# Altium PCB ie-track-kit-arduino-1-V11.PcbDoc (part 3 of 3) (continued)
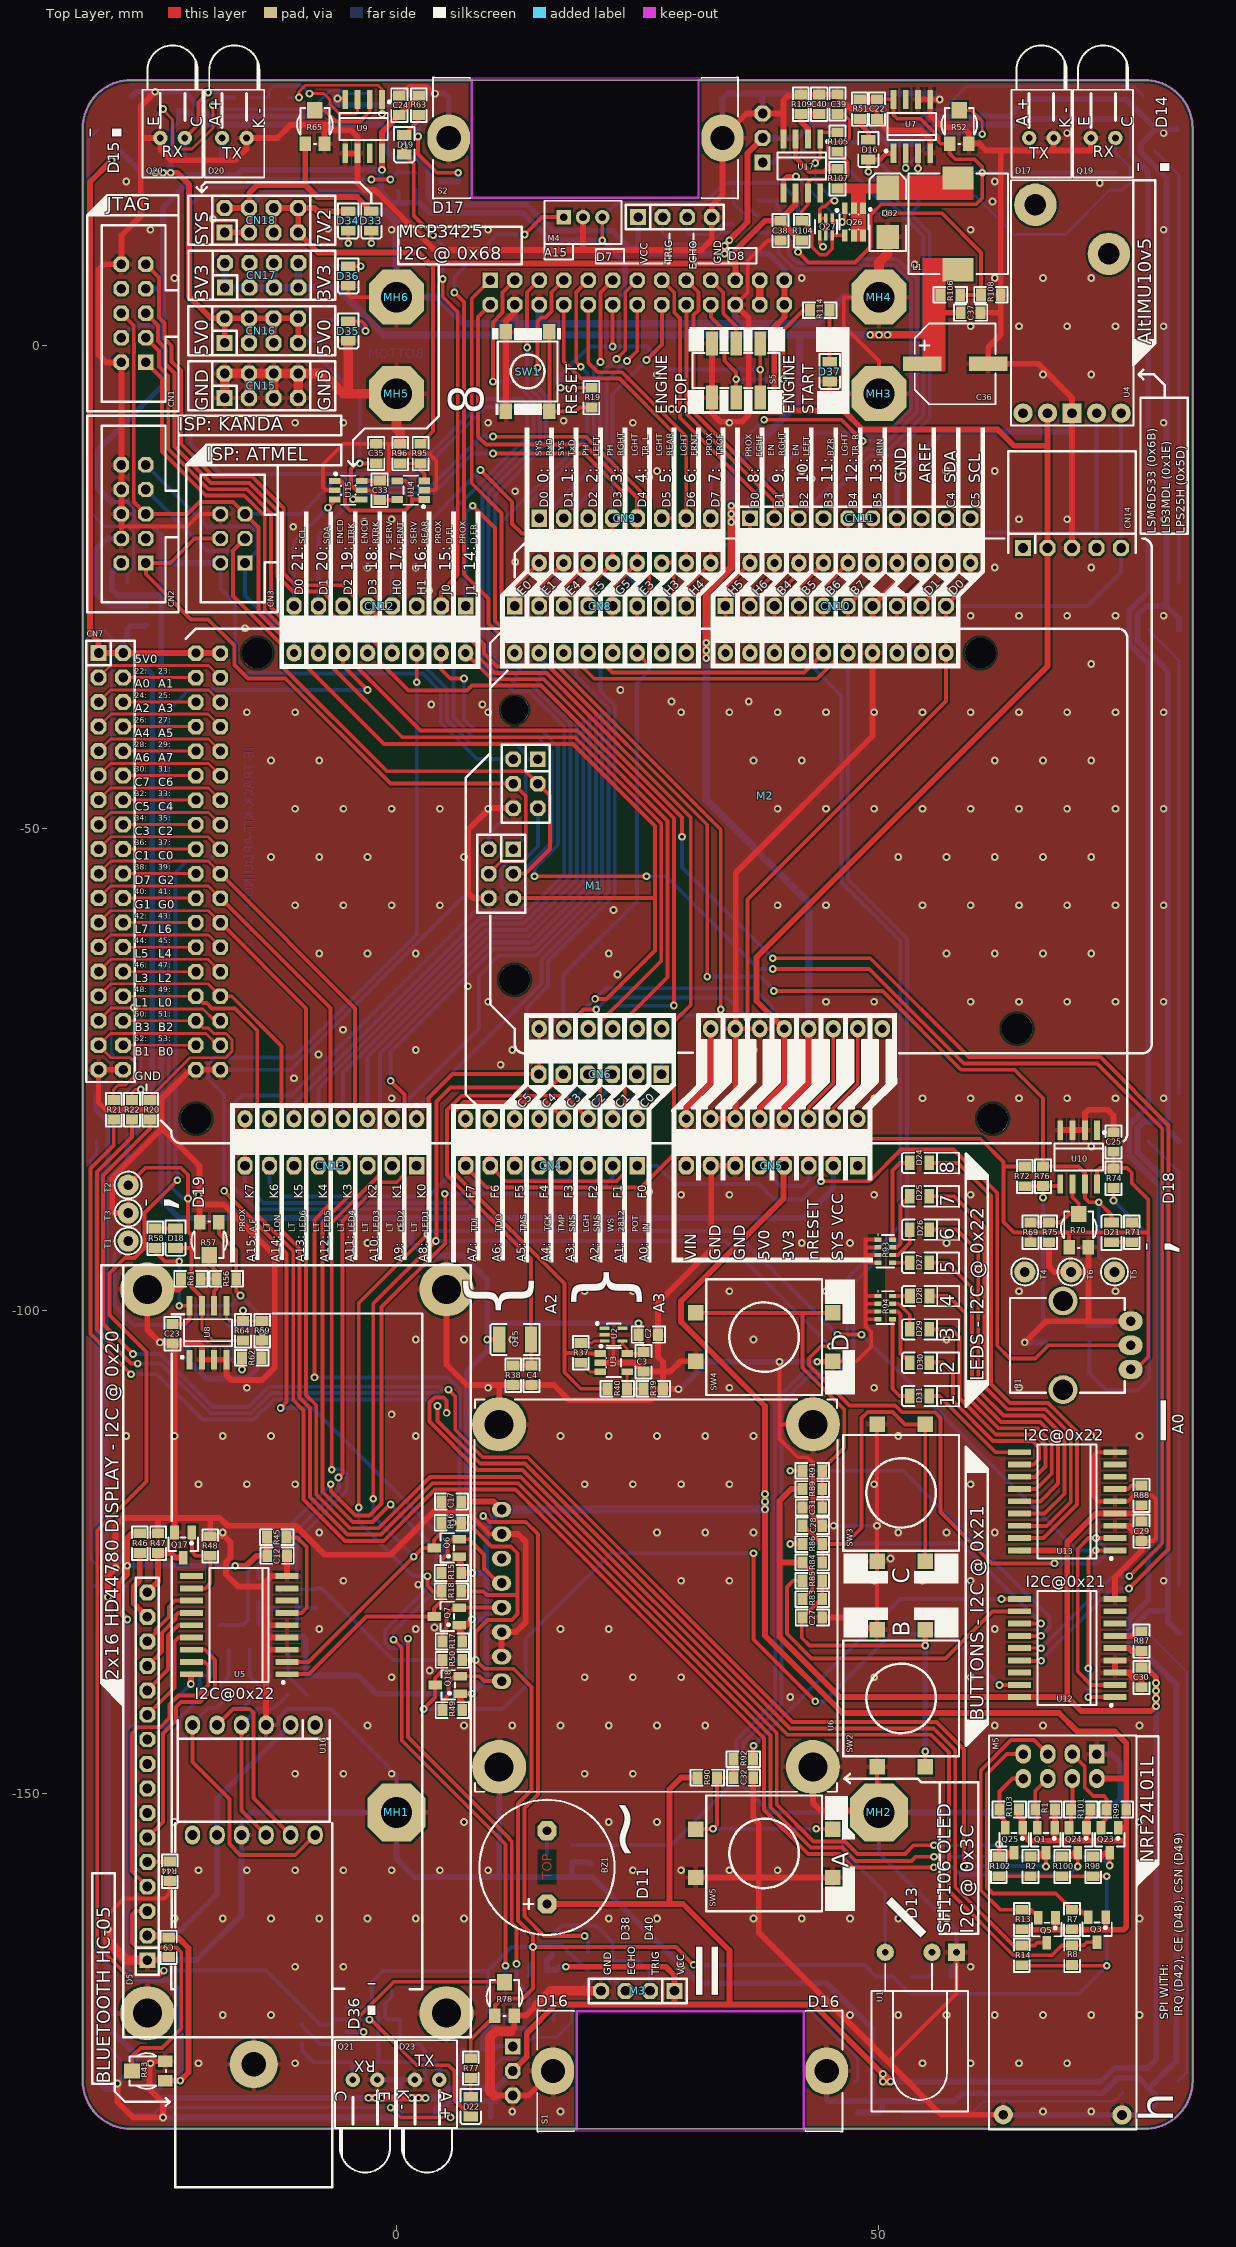
[diagram p0: Top Layer view]
## Nets (pads, with @x,y where several pads share a name; then routed paths per layer and width w, separated by ;. In a path a pad name is that pad's centre, name@x,y a point inside that pad or via, vN(x,y) a via of type N, cw(c..) or ccw(c..) an arc to the next point about the centre after c; other vN are vias at no path point) (continued)
  Bottom Layer w0.4: Q22.3@-18.294,-132.6 -15.9,-132.6 -15.4,-132.1 -15.4,-126.6 v1(-6.8,-118) ; CN3.5@-15.695,-17.46 -9.86,-17.46 -6.354,-13.954 1.646,-13.954 9.2,-6.4 v1(12.7,-6.4) ; v1(5,-87.9) 6.94,-87.9 8.451,-86.389 8.451,-83.649 9.254,-82.846 14.904,-82.846 16.039,-81.711 16.039,-79.461 18.586,-76.914 18.586,-69.706 v1(20.592,-67.7) 21.692,-66.6 37.031,-66.6 38.931,-68.5 38.931,-86.231 39.8,-87.1 42.1,-87.1 42.725,-86.475 CN5.3@42.725,-85 M1.P3@42.725,-80.13 45.265,-77.59 M2.P3@45.265,-70.8 ; M1.PROG5@12.118,-57.27 10.864,-56.016 10.864,-54.142 11.53,-53.476 13.074,-53.476 14.658,-51.892 M2.PROG5@14.658,-47.94
RxD_HC05: R11.1 U16.3 | length 18.5
  Top Layer w0.4: U16.3@-16.051,-142.941 -16.051,-151.801 U16.3@-13.511,-154.341
  Bottom Layer w0.4: U16.3@-16.051,-142.941 -14.41,-141.3 -12.775,-141.3 R11.1@-11.3,-139.825
SCK_3V3: M5.5 Q5.2 R13.1 | length 28.4
  Top Layer w0.4: Q5.2@66.5,-162.9 65.684,-162.084 R13.1@64.8,-162.084 62.559,-162.084 60.546,-160.071 60.546,-147.654 63.694,-144.506 66.046,-144.506 M5.5@67.5,-145.96
SCK_5V: Q5.3 R14.1 R21.2 | length 159.6
  Top Layer w0.4: R21.2@-29.3,-80.216 -29.3,-82.888 -31.7,-85.288 -31.7,-102.4 v1(-27.5,-106.6) ; v1(4.262,-109.9) 4.262,-111.438 8.679,-115.854 13.34,-115.854 40.786,-143.3 55.675,-143.3 57.9,-145.525 57.9,-159.756 63.944,-165.8 R14.1@64.8,-165.8 66.1,-165.8 66.4,-165.5 Q5.3@67.4,-165.5
  Bottom Layer w0.4: v1(-27.5,-106.6) -24.8,-106.6 -20.1,-111.3 -14.8,-111.3 -12.7,-109.2 3.562,-109.2 v1(4.262,-109.9)
SCL_3V3: Q7.2 R17.1 U6.5 | length 9
  Top Layer w0.4: R17.1@4.784,-134.3 4.784,-133.316 5.2,-132.9 5.2,-131.5 5.9,-130.8 Q7.2@6.5,-130.8 6.52,-130.78 U6.5@10.9,-130.78
SDA_3V3: Q6.2 R15.1 U6.4 | length 11.9
  Top Layer w0.4: R15.1@4.684,-127.2 4.684,-125.831 5.3,-125.215 5.3,-124.1 5.7,-123.7 Q6.2@6.5,-123.7 7.5,-123.7 9.06,-125.26 9.06,-126.714 10.586,-128.24 U6.4@10.9,-128.24
STATE: C34.1 U16.1 | length 29.3
  Top Layer w0.4: U16.1@-21.131,-142.941 -21.131,-146.769 -17.305,-150.595 -17.305,-155.295 -16.2,-156.4 -10.49,-156.4 U16.1@-8.431,-154.341
  Bottom Layer w0.4: U16.1@-21.131,-142.941 -21.131,-142.831 -19.5,-141.2 -18.659,-141.2 C34.1@-17.3,-139.841
SYS_VCC: C2.1 C3.2 C22.1 C23.1 C24.1 C25.1 C26.1 CN1.4 CN1.7 CN2.2 CN3.2 CN5.2 CN18.1 CN18.2 CN18.3 CN18.4 CN19.12 D33.1 M1.P2 M1.PROG2 M2.P2 M2.PROG2 M4.1 P1.1 Q8.1 Q10.1 Q11.1 Q12.1 Q13.1 Q14.1 Q15.2 Q16.1 R2.2 R4.1 R8.2 R10.1 R14.2 R16.2 R18.2 R19.2 R23.2 R25.2 R28.2 R30.1 R31.2 R33.2 R35.2 R41.2 R50.2 R51.1 R52.1 R53.1 R54.1 R56.1 R57.1 R58.1 R59.2 R62.2 R63.1 R65.1 R66.1 R67.1 R69.1 R70.1 R71.1 R72.2 R74.2 R77.1 R78.1 R79.1 R80.1 R98.1 R100.1 R102.1 S5.2 S5.4 U2.4 U3.5 U7.8 U8.8 U9.8 U10.8 U11.8 | length 970.2
  Top Layer w0.3: U2.4@23.425,-103.15 23.425,-103.466 23.9,-103.941 U3.5@23.9,-104.45 25.434,-104.45 C3.2@25.6,-104.284 25.6,-103.566 25.084,-103.05 C2.1@25.084,-102.5 v1(25.084,-101.316)
  Top Layer w0.4: R58.1@-25,-93.516 -25,-93.9 -24,-94.9 v1(-22.5,-94.9) ; C23.1@-23.2,-101.384 -21.884,-101.384 -21.432,-100.932 U8.8@-21.432,-99.506 -22.494,-99.506 v1(-22.5,-99.5) ; R57.1@-18.4,-90.834 -18.4,-92 -16.606,-93.794 R56.1@-16.606,-96.7 -16.606,-97.994 v1(-16.15,-98.45) ; R62.2@-13.984,-104.9 -13.984,-103.2 R59.2@-13.9,-103.116 v1(-13.9,-102.3) ; v1(5.846,-122) R16.2@6.716,-122 7.4,-122 9.846,-124.446 11.846,-124.446 12.554,-125.154 12.554,-129.4 ; R18.2@6.716,-129.1 9,-129.1 9.394,-129.494 12.554,-129.494 12.554,-131.464 11.952,-132.066 9.434,-132.066 8.2,-133.3 v1(8.2,-136.2) ; R50.2@6.816,-136.2 v1(8.2,-136.2) ; R77.1@7.7,-177.484 7.7,-175.55 R78.1@10.2,-173.05 10.2,-172 10.9,-171.3 13.1,-171.3 14.14,-170.26 v1(14.14,-165.96) ; v1(9.4,-103) Q15.2@10.65,-103 ; v1(17.016,-4.384) R19.2@20.2,-4.384 ; v1(21.333,10.89) M4.1@21.333,13.3 ; v1(22.4,-0.1) 22.4,3.88 22.42,3.9 CN19.12@22.42,4.23 ; v1(30.8,-167.8) 28.96,-165.96 v1(14.14,-165.96) ; S5.2@37.7,-5.4 v1(37.7,-2.5) S5.4@37.7,0.2 ; v1(41.6,9.7) 42.7,8.6 47.509,8.6 49.104,10.195 49.104,13.504 50.236,14.636 52.238,14.636 52.241,14.639 60.039,14.639 60.7,15.3 v1(60.7,17.9) 60.7,18.5 59.9,19.3 57.9,19.3 57.321,19.879 57.321,20.479 56.9,20.9 56.403,20.9 56.2,21.103 56.2,21.6 54.3,23.5 51.888,23.5 51.495,23.893 U7.8@51.495,25.494 51.473,25.516 C22.1@49.8,25.516 ; CN5.2@45.265,-85 45.265,-82.1 ; M2.P2@47.805,-70.8 47.805,-76.495 45.265,-79.035 M1.P2@45.265,-80.13 45.265,-82.1 ; R102.1@62.4,-158.616 v1(73.6,-158.616) ; R14.2@64.8,-167.832 64.868,-167.9 v1(73.6,-167.9) ; R72.2@65.11,-85.084 62.908,-85.084 ; R69.1@65.7,-92.916 65.7,-91.9 ; R70.1@69.303,-93.278 69.7,-92.881 69.7,-91.9 ; U10.8@72.605,-86.894 72.605,-85.5 72.889,-85.216 R74.2@74.3,-85.216 ; R74.2@74.3,-85.284 R74.2@74.3,-85.216 ; C25.1@74.3,-83.551 R74.2@74.3,-85.216 ; P1.1@76.08,-106.1 76.6,-106.1 77.9,-104.8 77.9,-91.9 ; R71.1@76.2,-90.884 76.2,-91.8 76.3,-91.9 ; v1(8.2,-136.2) 9.114,-137.114 12.114,-137.114 14,-139 14,-149.7 12.608,-151.092 12.608,-163.195 14.14,-164.727 v1(14.14,-165.96) ; 45.265,-82.1 45.365,-82.2 60.5,-82.2 62.908,-84.608 62.908,-85.084 ; 62.908,-85.084 62.908,-90.824 63.984,-91.9 65.7,-91.9 ; 65.7,-91.9 69.3,-91.9 69.303,-91.897 69.303,-91.9 69.7,-91.9 ; 69.7,-91.9 76.3,-91.9 ; R74.2@74.3,-85.216 75.7,-85.216 76.2,-85.716 76.2,-86.8 77.9,-88.5 77.9,-91.9 ; 76.3,-91.9 77.9,-91.9
  Top Layer w0.6: CN18.1@-17.8,11.705 CN18.3@-15.26,11.705 -15.24,11.725 -15.24,15.8 -14.44,16.6 -9.4,16.6 ; CN18.2@-17.8,14.245 CN18.4@-15.26,14.245 ; R65.1@-9.452,20.919 -9.452,16.652 -9.4,16.6 ; D33.1@-2.6,13.916 -4.084,15.4 -8.2,15.4 -9.4,16.6 ; v1(-1.5,18.2) -1.495,18.205 U9.8@-1.495,19.906 -1.495,22.089 C24.1@0.3,23.884 0.3,23.916 R63.1@2.3,25.916 ; R51.1@48,25.516 C22.1@49.8,25.516
  Bottom Layer w0.4: -29.55,-16.2 -27.7,-16.2 -27.214,-16.686 -27.214,-18.286 -26.786,-18.714 -25.286,-18.714 -24.377,-19.623 ; CN1.4@-28.5,0.79 -27.214,2.076 -24.224,2.076 -24.2,2.1 ; -22.5,-90.4 v1(-22.5,-94.9) v1(-22.5,-99.5) -17.2,-99.5 v1(-16.15,-98.45) -13.9,-100.7 v1(-13.9,-102.3) ; -18.4,-90.316 -18.316,-90.4 ; CN3.2@-18.235,-22.54 -18.235,-25.165 -16.7,-26.7 -16.7,-33.2 -15.9,-34 2.739,-34 4.592,-35.853 4.592,-39.096 8.356,-42.86 10.8,-42.86 ; R4.1@-12.3,-128.825 -12.025,-129.1 -12.025,-128.879 R10.1@-8.3,-128.879 ; R10.1@-8.3,-128.809 -7.724,-128.809 -0.333,-136.2 v1(8.2,-136.2) ; U11.8@-5.194,-172.211 -2.543,-172.211 -2.516,-172.184 ; R41.2@0.2,16 0.2,15 0.4,14.8 ; R79.1@1.9,-177.9 R80.1@-1.979,-177.9 -1.846,-177.767 -1.846,-172.854 -2.516,-172.184 ; 2,14.8 Q16.1@2,16.1 ; M1.PROG2@9.578,-52.19 9.578,-50.622 10.864,-49.336 10.864,-42.924 10.8,-42.86 ; M2.PROG2@12.118,-42.86 10.8,-42.86 ; Q10.1@13.7,-174.4 12.5,-174.4 11.1,-173 9.881,-173 9.489,-172.608 9.489,-168.411 ; R28.2@13.7,-168.984 13.8,-168.884 13.8,-167.8 14.14,-167.46 v1(14.14,-165.96) ; v1(17.016,-4.384) 17.016,-3.076 19.992,-0.1 v1(22.4,-0.1) 25.9,-0.1 28.3,-2.5 v1(37.7,-2.5) ; Q8.1@19.834,-168.3 19.684,-168.3 R23.2@18.1,-166.716 17.138,-165.754 14.346,-165.754 v1(14.14,-165.96) ; M4.1@21.333,13.3 22.733,14.7 31.9,14.7 33.746,16.546 33.746,16.575 34.012,16.841 37.496,16.841 Q12.1@37.5,16.837 39.763,16.837 41.616,14.984 R35.2@41.616,11.6 41.6,11.584 v1(41.6,9.7) ; CN19.12@22.42,4.23 23.69,5.5 23.69,7.483 ; v1(30.8,-167.8) 48.5,-167.8 49.7,-169 R30.1@51.434,-169 53.234,-170.8 70.7,-170.8 v1(73.6,-167.9) v1(73.6,-158.616) ; 36.2,16.8 36.2,14.545 37.245,13.5 Q13.1@37.5,13.5 ; Q14.1@44.82,21.1 R33.2@46.789,21.1 ; R33.2@46.8,21.089 R33.2@46.789,21.1 ; R54.1@74.5,17.944 R53.1@65.56,17.944 58.944,17.944 57.5,16.5 52.5,16.5 47.9,21.1 R33.2@46.789,21.1 ; -2.516,-172.184 C26.1@-2.516,-170.4 -2.516,-169.516 -1.411,-168.411 9.489,-168.411 ; 9.489,-168.411 11.94,-165.96 v1(14.14,-165.96)
  Bottom Layer w0.6: -29.55,-16.2 -31,-14.75 -31,-12.38 -31,-10.9 -24.2,-4.1 -24.2,2.1 -24.2,5.87 ; CN2.2@-28.5,-22.54 -29.5,-23.54 -29.5,-25.25 -28.85,-25.9 -24.377,-25.9 ; CN1.7@-25.96,5.87 -24.2,5.87 ; -24.377,-26 -24.377,-25.9 ; -24.377,-19.623 -24.377,-25.9 ; -24.282,-22.54 CN3.2@-18.235,-22.54 ; CN18.4@-15.26,14.245 -13.619,15.886 -1.586,15.886 ; v1(5.846,-122) 7.296,-120.55 7.296,-106.304 9.4,-104.2 v1(9.4,-103) 9.4,-101.3 ; 23.69,7.483 23.69,8.532 v1(21.333,10.89) 16.003,10.89 13.127,13.765 3.435,13.765 2.4,14.8 2,14.8 0.4,14.8 -0.5,14.8 -1.586,15.886 ; v1(25.084,-101.316) 9.416,-101.316 9.4,-101.3 ; M1.P2@45.265,-80.13 CN5.2@45.265,-85 45.265,-87.355 42.22,-90.4 1.5,-90.4 ; -24.377,-25.9 -24.377,-88.523 -22.5,-90.4 -18.316,-90.4 1.5,-90.4 ; -24.2,5.87 -24.2,14.3 -21.9,16.6 R67.1@-21.9,17.668 R66.1@-18.07,17.668 -16.532,17.668 -16,18.2 v1(-1.5,18.2) -1.586,18.114 -1.586,15.886 ; 1.5,-90.4 1.5,-92.9 2.9,-94.3 6.9,-94.3 9.4,-96.8 9.4,-101.3
TxD_HC05: R5.1 U16.2 | length 23.9
  Top Layer w0.4: U16.2@-18.591,-142.941 -16.95,-141.3 -15.2,-141.3 -14.797,-141.703 -14.797,-150.515 U16.2@-10.971,-154.341
  Bottom Layer w0.4: U16.2@-18.591,-142.941 -16.85,-141.2 -15.9,-141.2 -15.3,-140.6 R5.1@-15.3,-139.841
VMOT: CN19.23 CN19.24 | length 5.1
  Top Layer w0.8: CN19.24@37.66,4.23 CN19.23@37.66,6.77
  Bottom Layer w0.8: CN19.24@37.66,4.23 CN19.23@37.66,6.77
pads on no net: CN1.8 CN2.3 CN5.1 CN14.1 D5.7 D5.8 D5.9 D5.10 D5.M1 D10.2 M1.1 M1.P1 M2.1 M2.P1 P1.M1 P1.M2 S1.M S2.M U2.1 U2.5 U4.4 U4.M U5.7 U5.8 U5.10 U6.0 U6.3 U7.7 U8.1 U9.7 U10.1 U11.1 U12.7 U12.16 U13.7 U13.8 U16.6 U17.8

## Polygon pours and split planes (outlines as drawn)
GND on Bottom Layer "Bottom Layer-GND" (solid, remove dead copper, pour order 0): -33.1,-179.5 ccw(c-28.1,-179.5) -28.1,-184.5 18.1,-184.5 18.1,-172.3 41.6,-172.3 41.6,-184.5 76.9,-184.5 ccw(c76.9,-179.5) 81.9,-179.5 81.9,22.8 ccw(c76.9,22.8) 76.9,27.8 30.7,27.8 30.7,15.6 7.2,15.6 7.2,27.8 -28.1,27.8 ccw(c-28.1,22.8) -33.1,22.8
GND on Top Layer "Top Layer-GND" (solid, remove dead copper, pour order 1): -32.5,-179.8 ccw(c-27.5,-179.8) -27.5,-184.8 18.7,-184.8 18.7,-172.6 42.2,-172.6 42.2,-184.8 77.5,-184.8 ccw(c77.5,-179.8) 82.5,-179.8 82.5,22.5 ccw(c77.5,22.5) 77.5,27.5 31.3,27.5 31.3,15.3 7.8,15.3 7.8,27.5 -27.5,27.5 ccw(c-27.5,22.5) -32.5,22.5

## Keep-outs
Keep-Out Layer:
  lines w0.254: 82.5,22.5 82.5,-179.8 cw(c77.5,-179.8) 77.5,-184.8 42.2,-184.8 42.2,-172.6 18.7,-172.6 18.7,-184.8 -27.5,-184.8 cw(c-27.5,-179.8) -32.5,-179.8 -32.5,22.5 cw(c-27.5,22.5) -27.5,27.5 7.8,27.5 7.8,15.3 31.3,15.3 31.3,27.5 77.5,27.5 cw(c77.5,22.5) 82.5,22.5

## Other copper
Top Layer:
  rectangle net 3V3: 54.5,-2.7 56.9,9.065
  rectangle net NetD32_2: 50.375,15.1 59.8,17.589
  rectangle net NetD32_2: 47.093,10.8 48.65,16.45
  pour cut-out: 48.864,-92.1 48.864,-101.4 50.584,-101.4 50.6,-101.384 50.6,-92.1
  text "TOP" at 16.1,-159 h1 r90
Bottom Layer:
  text "BOTTOM" at 2.9,-1.3 h1
  text "IE-TRACK-KIT-ARDUINO-1, V1.1" at -14.8,-41.6 h1 r90

## Silkscreen, mask and mechanical layers (free items; w line width, h text height)
Top Overlay:
  drawing of 489 lines, arcs and shapes, not listed
  text "E" at -24.185,22.7 h2 r90
  text "A +" at -17.785,22.7 h2 r90
  text "A +" at 65.845,22.7 h2 r90
  text "E" at 72.245,22.7 h2 r90
  text "C" at -19.7,22.625 h2 r90
  text "C" at 76.73,22.625 h2 r90
  text "K -" at 70.3,22.5 h2 r90
  text "D14" at 80.3,22.5 h2 r90
  text "K -" at -13.3,22.45 h2 r90
  text ":" at -26.6,20.7 h10 r90
  text "RX" at -24.3,19.1 h2
  text "RX" at 72.13,19.1 h2
  text "TX" at -18.07,18.96 h2
  text "TX" at 65.56,18.96 h2
  text "D15" at -28.3,17.8 h2 r90
  text ":" at 82,17.1 h10 r90
  text "JTAG" at -30,13.5 h2.4
  text "D17" at 3.7,13.3 h2
  text "SYS" at -19.06,10.37 h2.3 r90
  text "7V2" at -6.36,10.37 h2.4 r90
  text "A15" at 15.3,8.9 h1.5
  text "D8" at 34.4,8.5 h1.5
  text "MCP3425 / I2C @ 0x68" at 0.2,8.4 h2.3
  text "D7" at 20.7,8.4 h1.5
  text "3V3" at -19.045,4.655 h2.4 r90
  text "3V3" at -6.345,4.655 h2.4 r90
  text "AltIMU10v5" at 78.66,0.1 h2.4 r90
  text "5V0" at -19.06,-1.06 h2.4 r90
  text "5V0" at -6.36,-1.06 h2.4 r90
  text "GND" at -19.06,-6.775 h2.3 r90
  text "GND" at -6.36,-6.775 h2.3 r90
  text "ENGINE / STOP" at 30.48,-7.1 h2 r90
  text "ENGINE / START" at 43.68,-7.1 h2 r90
  text "8" at 10.26,-7.2 h6.2 r90
  text "RESET" at 19.16,-7.2 h2 r90
  text "ISP: KANDA" at -22.585,-9.3 h2.4
  text "SYS / RxD" at 16.4,-11.491 h1.1 r90
  text "SYS / TxD" at 18.726,-11.491 h1.1 r90
  text "PH / LEFT" at 21.266,-11.491 h1.1 r90
  text "PH / RGHT" at 23.806,-11.491 h1.1 r90
  text "LGHT / TR  L" at 26.346,-11.491 h1.1 r90
  text "LGHT / REAR" at 28.886,-11.491 h1.1 r90
  text "LGHT / FRNT" at 31.426,-11.491 h1.1 r90
  text "PROX / TRGF" at 34.089,-11.491 h1.1 r90
  text "EN / RGHT" at 40.502,-11.491 h1.1 r90
  text "EN / LEFT" at 43.042,-11.491 h1.1 r90
  text "BZR" at 45.582,-11.491 h1.1 r90
  text "LGHT / TR  R" at 48.122,-11.491 h1.1 r90
  text "IRIN" at 50.662,-11.491 h1.1 r90
  text "PROX / ECHF" at 38.153,-11.6 h1.1 r90
  text "ISP: ATMEL" at -19.7,-12.4 h2.4
  text "0:" at 16.182,-14.3 h2 r90
  text "1:" at 18.722,-14.3 h2 r90
  text "2:" at 21.262,-14.3 h2 r90
  text "3:" at 23.802,-14.3 h2 r90
  text "4:" at 26.342,-14.3 h2 r90
  text "5:" at 28.882,-14.3 h2 r90
  text "6:" at 31.422,-14.3 h2 r90
  text "7:" at 33.962,-14.3 h2 r90
  text "8:" at 38.026,-14.3 h2 r90
  text "9:" at 40.566,-14.3 h2 r90
  text "10:" at 43.106,-14.3 h2 r90
  text "11:" at 45.646,-14.3 h2 r90
  text "12:" at 48.186,-14.3 h2 r90
  text "13:" at 50.726,-14.3 h2 r90
  text "GND" at 53.266,-14.3 h2 r90
  text "AREF" at 55.806,-14.3 h2 r90
  text "SDA" at 58.346,-14.3 h2 r90
  text "SCL" at 60.886,-14.3 h2 r90
  text "D0" at 16.04,-16.8 h1.5 r90
  text "D1" at 18.58,-16.8 h1.5 r90
  text "D2" at 21.12,-16.8 h1.5 r90
  text "D3" at 23.66,-16.8 h1.5 r90
  text "D4" at 26.2,-16.8 h1.5 r90
  text "D5" at 28.74,-16.8 h1.5 r90
  text "D6" at 31.28,-16.8 h1.5 r90
  text "D7" at 33.82,-16.8 h1.5 r90
  text "B0" at 37.884,-16.8 h1.5 r90
  text "B1" at 40.424,-16.8 h1.5 r90
  text "B2" at 42.964,-16.8 h1.5 r90
  text "B3" at 45.504,-16.8 h1.5 r90
  text "B4" at 48.044,-16.8 h1.5 r90
  text "B5" at 50.584,-16.8 h1.5 r90
  text "C4" at 58.204,-16.8 h1.5 r90
  text "C5" at 60.744,-16.8 h1.5 r90
  text "LSM6DS33 (0x6B) / LIS3MDL (0x1E) / LPS25H (0x5D)" at 82,-19.5 h1.5 r90
  text "SCL" at -9.214,-20.591 h1.1 r90
  text "SDA" at -6.674,-20.591 h1.1 r90
  text "ENCD / LTRK" at -4.134,-20.591 h1.1 r90
  text "ENCD / RTRK" at -1.594,-20.591 h1.1 r90
  text "SERV / FRNT" at 0.946,-20.591 h1.1 r90
  text "SERV / REAR" at 3.486,-20.591 h1.1 r90
  text "PROX / D FL" at 6.026,-20.591 h1.1 r90
  text "PROX / D FR" at 8.566,-20.591 h1.1 r90
  text "21:" at -9.218,-23.4 h2 r90
  text "20:" at -6.678,-23.4 h2 r90
  text "19:" at -4.138,-23.4 h2 r90
  text "18:" at -1.598,-23.4 h2 r90
  text "17:" at 0.942,-23.4 h2 r90
  text "16:" at 3.482,-23.4 h2 r90
  text "15:" at 6.022,-23.4 h2 r90
  text "14:" at 8.562,-23.4 h2 r90
  text "D0" at -9.36,-25.9 h1.5 r90
  text "D1" at -6.82,-25.9 h1.5 r90
  text "D2" at -4.28,-25.9 h1.5 r90
  text "D3" at -1.74,-25.9 h1.5 r90
  text "H0" at 0.8,-25.9 h1.5 r90
  text "H1" at 3.34,-25.9 h1.5 r90
  text "J0" at 5.88,-25.9 h1.5 r90
  text "J1" at 8.42,-25.9 h1.5 r90
  text "E0" at 13.261,-26.2 h1.5 r45
  text "E1" at 15.801,-26.2 h1.5 r45
  text "E4" at 18.341,-26.2 h1.5 r45
  text "E5" at 20.881,-26.2 h1.5 r45
  text "G5" at 23.421,-26.2 h1.5 r45
  text "E3" at 25.961,-26.2 h1.5 r45
  text "H3" at 28.501,-26.2 h1.5 r45
  text "H4" at 31.041,-26.2 h1.5 r45
  text "H5" at 35.105,-26.2 h1.5 r45
  text "H6" at 37.645,-26.2 h1.5 r45
  text "B4" at 40.185,-26.2 h1.5 r45
  text "B5" at 42.725,-26.2 h1.5 r45
  text "B6" at 45.265,-26.2 h1.5 r45
  text "B7" at 47.805,-26.2 h1.5 r45
  text "D1" at 55.425,-26.2 h1.5 r45
  text "D0" at 57.965,-26.2 h1.5 r45
  text "5V0" at -27.124,-33.26 h1.5
  text "22:" at -27.124,-34.2 h1
  text "23:" at -24.7,-34.2 h1
  text "A0" at -27.124,-35.8 h1.5
  text "A1" at -24.7,-35.8 h1.5
  text "24:" at -27.124,-36.74 h1
  text "25:" at -24.7,-36.74 h1
  text "A2" at -27.124,-38.34 h1.5
  text "A3" at -24.7,-38.34 h1.5
  text "26:" at -27.124,-39.28 h1
  text "27:" at -24.7,-39.28 h1
  text "A4" at -27.124,-40.88 h1.5
  text "A5" at -24.7,-40.88 h1.5
  text "28:" at -27.124,-41.82 h1
  text "29:" at -24.7,-41.82 h1
  text "A6" at -27.124,-43.42 h1.5
  text "A7" at -24.7,-43.42 h1.5
  text "30:" at -27.124,-44.36 h1
  text "31:" at -24.7,-44.36 h1
  text "C7" at -27.124,-45.96 h1.5
  text "C6" at -24.7,-45.96 h1.5
  text "32:" at -27.124,-46.9 h1
  text "33:" at -24.7,-46.9 h1
  text "C5" at -27.124,-48.5 h1.5
  text "C4" at -24.7,-48.5 h1.5
  text "34:" at -27.124,-49.44 h1
  text "35:" at -24.7,-49.44 h1
  text "C3" at -27.124,-51.04 h1.5
  text "C2" at -24.7,-51.04 h1.5
  text "36:" at -27.124,-51.98 h1
  text "37:" at -24.7,-51.98 h1
  text "C1" at -27.124,-53.58 h1.5
  text "C0" at -24.7,-53.58 h1.5
  text "38:" at -27.124,-54.52 h1
  text "39:" at -24.7,-54.52 h1
  text "D7" at -27.124,-56.12 h1.5
  text "G2" at -24.7,-56.12 h1.5
  text "40:" at -27.124,-57.06 h1
  text "41:" at -24.7,-57.06 h1
  text "G1" at -27.124,-58.66 h1.5
  text "G0" at -24.7,-58.66 h1.5
  text "42:" at -27.124,-59.6 h1
  text "43:" at -24.7,-59.6 h1
  text "L7" at -27.124,-61.2 h1.5
  text "L6" at -24.7,-61.2 h1.5
  text "44:" at -27.124,-62.14 h1
  text "45:" at -24.7,-62.14 h1
  text "L5" at -27.124,-63.74 h1.5
  text "L4" at -24.7,-63.74 h1.5
  text "46:" at -27.124,-64.68 h1
  text "47:" at -24.7,-64.68 h1
  text "L3" at -27.124,-66.28 h1.5
  text "L2" at -24.7,-66.28 h1.5
  text "48:" at -27.124,-67.22 h1
  text "49:" at -24.7,-67.22 h1
  text "L1" at -27.124,-68.82 h1.5
  text "L0" at -24.7,-68.82 h1.5
  text "50:" at -27.124,-69.76 h1
  text "51:" at -24.7,-69.76 h1
  text "B3" at -27.124,-71.36 h1.5
  text "B2" at -24.7,-71.36 h1.5
  text "52:" at -27.124,-72.3 h1
  text "53:" at -24.7,-72.3 h1
  text "B1" at -27.124,-73.9 h1.5
  text "B0" at -24.7,-73.9 h1.5
  text "GND" at -27.124,-76.44 h1.5
  text "C5" at 13.261,-79.33 h1.5 r45
  text "C4" at 15.801,-79.33 h1.5 r45
  text "C3" at 18.341,-79.33 h1.5 r45
  text "C2" at 20.881,-79.33 h1.5 r45
  text "C1" at 23.421,-79.33 h1.5 r45
  text "C0" at 25.961,-79.33 h1.5 r45
  text "8" at 58.3,-85.8 h2.5 r90
  text "K7" at -14.455,-88.4 h1.5 r90
  text "K6" at -11.915,-88.4 h1.5 r90
  text "K5" at -9.375,-88.4 h1.5 r90
  text "K4" at -6.835,-88.4 h1.5 r90
  text "K3" at -4.295,-88.4 h1.5 r90
  text "K2" at -1.755,-88.4 h1.5 r90
  text "K1" at 0.784,-88.4 h1.5 r90
  text "K0" at 3.324,-88.4 h1.5 r90
  text "F7" at 8.405,-88.4 h1.5 r90
  text "F6" at 10.945,-88.4 h1.5 r90
  text "F5" at 13.485,-88.4 h1.5 r90
  text "F4" at 16.025,-88.4 h1.5 r90
  text "F3" at 18.565,-88.4 h1.5 r90
  text "F2" at 21.105,-88.4 h1.5 r90
  text "F1" at 23.645,-88.4 h1.5 r90
  text "F0" at 26.185,-88.4 h1.5 r90
  text "D18" at 81,-89 h2 r90
  text "7" at 58.3,-89.25 h2.5 r90
  text "D19" at -19.5,-89.4 h2 r90
  text ";" at -21.8,-89.9 h8 r90
  text "TCK" at 16.237,-91.8 h1.1 r90
  text "PROX / A F" at -14.298,-91.9 h1.1 r90
  text "LT / LON" at -11.758,-91.9 h1.1 r90
  text "LT / LED6" at -9.163,-91.9 h1.1 r90
  text "LT / LED5" at -6.623,-91.9 h1.1 r90
  text "LT / LED4" at -4.083,-91.9 h1.1 r90
  text "LT / LED3" at -1.543,-91.9 h1.1 r90
  text "LT / LED2" at 0.997,-91.9 h1.1 r90
  text "LT / LED1" at 3.537,-91.9 h1.1 r90
  text "TDI" at 8.617,-91.9 h1.1 r90
  text "TDO" at 11.157,-91.9 h1.1 r90
  text "TMS" at 13.697,-91.9 h1.1 r90
  text "TMP / SNS" at 18.777,-91.9 h1.1 r90
  text "LGH / SNS" at 21.317,-91.9 h1.1 r90
  text "WS / 2812" at 23.857,-91.9 h1.1 r90
  text "POT / IN" at 26.397,-91.9 h1.1 r90
  text "6" at 58.3,-92.716 h2.5 r90
  text ";" at 81.9,-94.5 h8 r90
  text "VIN" at 31.477,-94.778 h2 r90
  text "GND" at 34.017,-94.778 h2 r90
  text "GND" at 36.557,-94.778 h2 r90
  text "5V0" at 39.097,-94.778 h2 r90
  text "3V3" at 41.637,-94.778 h2 r90
  text "nRESET" at 44.177,-94.778 h2 r90
  text "SYS VCC" at 46.717,-94.778 h2 r90
  text "A15:" at -14.298,-95 h1.5 r90
  text "A14:" at -11.758,-95 h1.5 r90
  text "A13:" at -9.218,-95 h1.5 r90
  text "A12:" at -6.678,-95 h1.5 r90
  text "A11:" at -4.138,-95 h1.5 r90
  text "A10:" at -1.598,-95 h1.5 r90
  text "A9:" at 0.942,-95 h1.5 r90
  text "A8:" at 3.482,-95 h1.5 r90
  text "A7:" at 8.562,-95 h1.5 r90
  text "A6:" at 11.102,-95 h1.5 r90
  text "A5:" at 13.642,-95 h1.5 r90
  text "A4:" at 16.182,-95 h1.5 r90
  text "A3:" at 18.722,-95 h1.5 r90
  text "A2:" at 21.262,-95 h1.5 r90
  text "A1:" at 23.802,-95 h1.5 r90
  text "A0:" at 26.342,-95 h1.5 r90
  text "5" at 58.3,-96.15 h2.5 r90
  text "4" at 58.316,-99.6 h2.5 r90
  text "}" at 26.108,-100.1 h10 r90
  text "A3" at 28.2,-100.3 h2 r90
  text "A2" at 17.016,-100.4 h2 r90
  text "{" at 14.9,-101 h10 r90
  text "3" at 58.3,-103.05 h2.5 r90
  text "D" at 47.5,-104.25 h3 r90
  text "2" at 58.3,-106.5 h2.5 r90
  text "LEDS - I2C @ 0x22" at 61.3,-107.34 h2.4 r90
  text "1" at 58.3,-109.95 h2.5 r90
  text "A0" at 82,-112.8 h2 r90
  text "_" at 79.8,-113.4 h10 r90
  text "I2C@0x22" at 65,-113.9 h2
  text "C" at 53.8,-128.3 h3 r90
  text "I2C@0x21" at 65.2,-129.1 h2
  text "B" at 53.8,-133.79 h3 r90
  text "2x16 HD44780 DISPLAY - I2C @ 0x20" at -28.29,-138.3 h2.4 r90
  text "I2C@0x22" at -20.9,-140.7 h2
  text "BUTTONS - I2C @ 0x21" at 61.3,-142.5 h2.4 r90
  text "~" at 28.1,-157.1 h10 r90
  text "NRF24L01L" at 78.964,-157.2 h2.4 r90
  text "A" at 47.5,-157.75 h3 r90
  text "I" at 50.5,-158.7 h11 r225
  text "D11" at 26.5,-161 h2 r90
  text "D13" at 54.4,-163.1 h2 r90
  text "SH1106 OLED / I2C @ 0x3C" at 60.3,-164.6 h2.4 r90
  text "D38" at 24.5,-165.3 h1.5 r90
  text "D40" at 26.9,-165.3 h1.5 r90
  text "=" at 36.6,-171.8 h10 r90
  text "D16" at 14.5,-172.55 h2
  text "D16" at 42.6,-172.6 h2
  text "SPI WITH: /  IRQ (D42), CE (D48), CSN (D49)" at 81.8,-173.5 h1.5 r90
  text "D36" at -3.4,-174.5 h2 r90
  text ":" at -3.9,-174.9 h10
  text "RX" at -2.149,-177.315 h2 r180
  text "TX" at 1.9,-178.7 h2
  text "BLUETOOTH HC-05" at -29.2,-180.1 h2.4 r90
  text "K -" at -0.3,-180.7 h2 r270
  text "C" at -6.749,-180.84 h2 r270
  text "E" at -2.264,-180.915 h2 r270
  text "A +" at 4.162,-180.915 h2 r270
  text "h" at 81.7,-184.1 h6 r90
Bottom Overlay:
  lines w0.2: 37.85,-131 65.1,-131
  lines w0.254: -6.1,21.1 -6.1,19.192 -3.808,19.192 -3,20 ; -3.4,20 -3,20 ; -3,19.6 -3,20
  lines w0.4: 12.6,-140.25 75.4,-140.25 ; 12.6,-125.75 75.4,-125.75
  text "?" at -11.2,26.429 h10 r180
  text "14" at 52.8,25.4 h1.5 r180
  text "1" at -2.8,21.8 h1.5 r180
  text "13" at 80.6,21.692 h1.5 r135
  text "A1" at -10,21.1 h2 r180
  text "2" at -27.965,19.2 h1.5 r225
  text "12" at 76.8,-24.4 h1.5 r90
  text "3" at -26.8,-26.1 h1.5 r270
  text "11" at 76.8,-77.45 h1.5 r90
  text "4" at -26.8,-82.6 h1.5 r270
  text "https://goo.gl/vLhepj" at 37.7,-115.15 h2 r180
  text "E" at 65.6,-115.15 h11 r180
  text "z" at 13.6,-115.75 h16 r180
  text "\" at 23.6,-115.85 h13 r180
  text "x" at 37.7,-117.65 h15 r180
  text "B" at 65.6,-126.35 h11 r180
  text "Kociolek, Karol Kropidlowski" at 38.1,-126.75 h1.9 r180
  text "IE PL" at 16.2,-127.25 h1.9 r180
  text "SKN MIPSA" at 24.35,-127.25 h1.9 r180
  text "5" at -30.4,-128.2 h1.5 r270
  text "e" at 14.6,-128.75 h14.7 r180
  text "k" at 25.5,-128.75 h12.5 r180
  text "Pawel Poryzala, Marcin" at 38.1,-128.75 h1.9 r180
  text "http://mipsa.p.lodz.pl" at 38.1,-132.25 h1.9 r180
  text "10" at 80.4,-133.8 h1.5 r90
  text "http://eletel.p.lodz.pl" at 38.1,-134.25 h1.9 r180
  text "Lodz University of Technology" at 38.1,-136.25 h1.9 r180
  text "Project developed  by:" at 13.6,-138.25 h1.9 r180
  text "Institute of Electronics" at 38.1,-138.25 h1.9 r180
  text "IE-TRACK-KIT-ARDUINO-1" at 13.6,-141.25 h2 r180
  text "v1.1 - 20180927" at 61.2,-141.25 h1 r180
  text "9" at 78.08,-176.7 h1.5 r45
  text "8" at 52.9,-178.8 h1.5
  text "6" at -24.3,-180.356 h1.5 r315
  text "7" at 2.9,-183.4 h1.5
Mechanical 1:
  lines w0.256: -10,-9.07 -10,14.2 ; 60.427,-12.57 60.427,10.7
Mechanical 3:
  lines w0.2: -36.8,0.609 -1.5,0.509 ; -1,0 1,0 ; 0,-1 0,1 ; 6.5,-6 43.5,-6 43.5,27 6.5,27 6.5,-6 ; 8.5,-10 41.5,-10 41.5,27 8.5,27 8.5,-10
  lines w0.254: -19.5,-162.3 -19.5,7.8 ; -5.1,-162.8 55.1,-162.8 ; -5,7.3 55.1,7.3 ; -1.2,21.8 13.6,30.2 ; 25,-179.8 25,22.5 ; 49.6,-182.2 56.2,-194.9 ; 69.5,-162.8 69.5,7.3 ; -32.5,-179.8 ccw(c-27.5,-179.8) -27.5,-184.8 ; -32.5,-179.8 ccw(c-27.5,-179.8) -27.5,-184.8 ; -32.5,-179.8 -32.5,22.5 ; -32.5,-179.8 -32.5,22.5 ; -32.5,22.5 cw(c-27.5,22.5) -27.5,27.5 77.5,27.5 cw(c77.5,22.5) 82.5,22.5 ; -27.5,-184.8 77.5,-184.8 ; -27.5,-184.8 77.5,-184.8 ; 77.5,-184.8 ccw(c77.5,-179.8) 82.5,-179.8 ; 77.5,-184.8 ccw(c77.5,-179.8) 82.5,-179.8 ; 82.5,-179.8 82.5,22.5 ; 82.5,-179.8 82.5,22.5
  lines w0.256: -10,-196.7 -10,-9.07 -10,14.2 ; 60,-11.07 60,12.2 ; 60.015,-193.008 60.427,-12.57
  text "ta dioda pionowo - przeszkadza śrubie... trzeba uważać" at 10.5,28.3 h2
  text "poczatek plytki POWER" at 13,5 h1.52
  text "os przednia" at -31.6,1.1 h1.52
  text "linia otworow w gasiennict" at -20.5,-95 h1.52 r90
  text "linia otworow w gasiennict" at 68.5,-103.6 h1.52 r90
  text "koniec plytki POWER" at 5.38,-162 h1.52
  text "ta dioda pionowo - przeszkadza śrubie... trzeba uważać" at 56.8,-196.7 h2

## Dimensions
77.5,-184.8 to 77.5,27.5 on Mechanical 3
-32.5,-179.8 to 82.5,-179.8 on Mechanical 3

## Text inside footprints (layer, text, board x,y; h text height)
M2: Mechanical 69 "D:/SmartProjects/Snc/a4_bn_logo2.bmp" at 78.285,-73.404 h0.02
M3: Top Overlay "GND" at 22.5,-168.9 h1.3 r90; Top Overlay "TRIG" at 27.5,-168.9 h1.3 r90; Top Overlay "VCC" at 30.1,-168.9 h1.3 r90; Top Overlay "ECHO" at 25,-168.9 h1.3 r90
M4: Top Overlay "VCC" at 26.318,8.474 h1.3 r90; Top Overlay "TRIG" at 28.858,8.474 h1.3 r90; Top Overlay "GND" at 33.938,8.474 h1.3 r90; Top Overlay "ECHO" at 31.398,7.839 h1.3 r90